# KiCad board control-logic-midplane.kicad_pcb (continued)
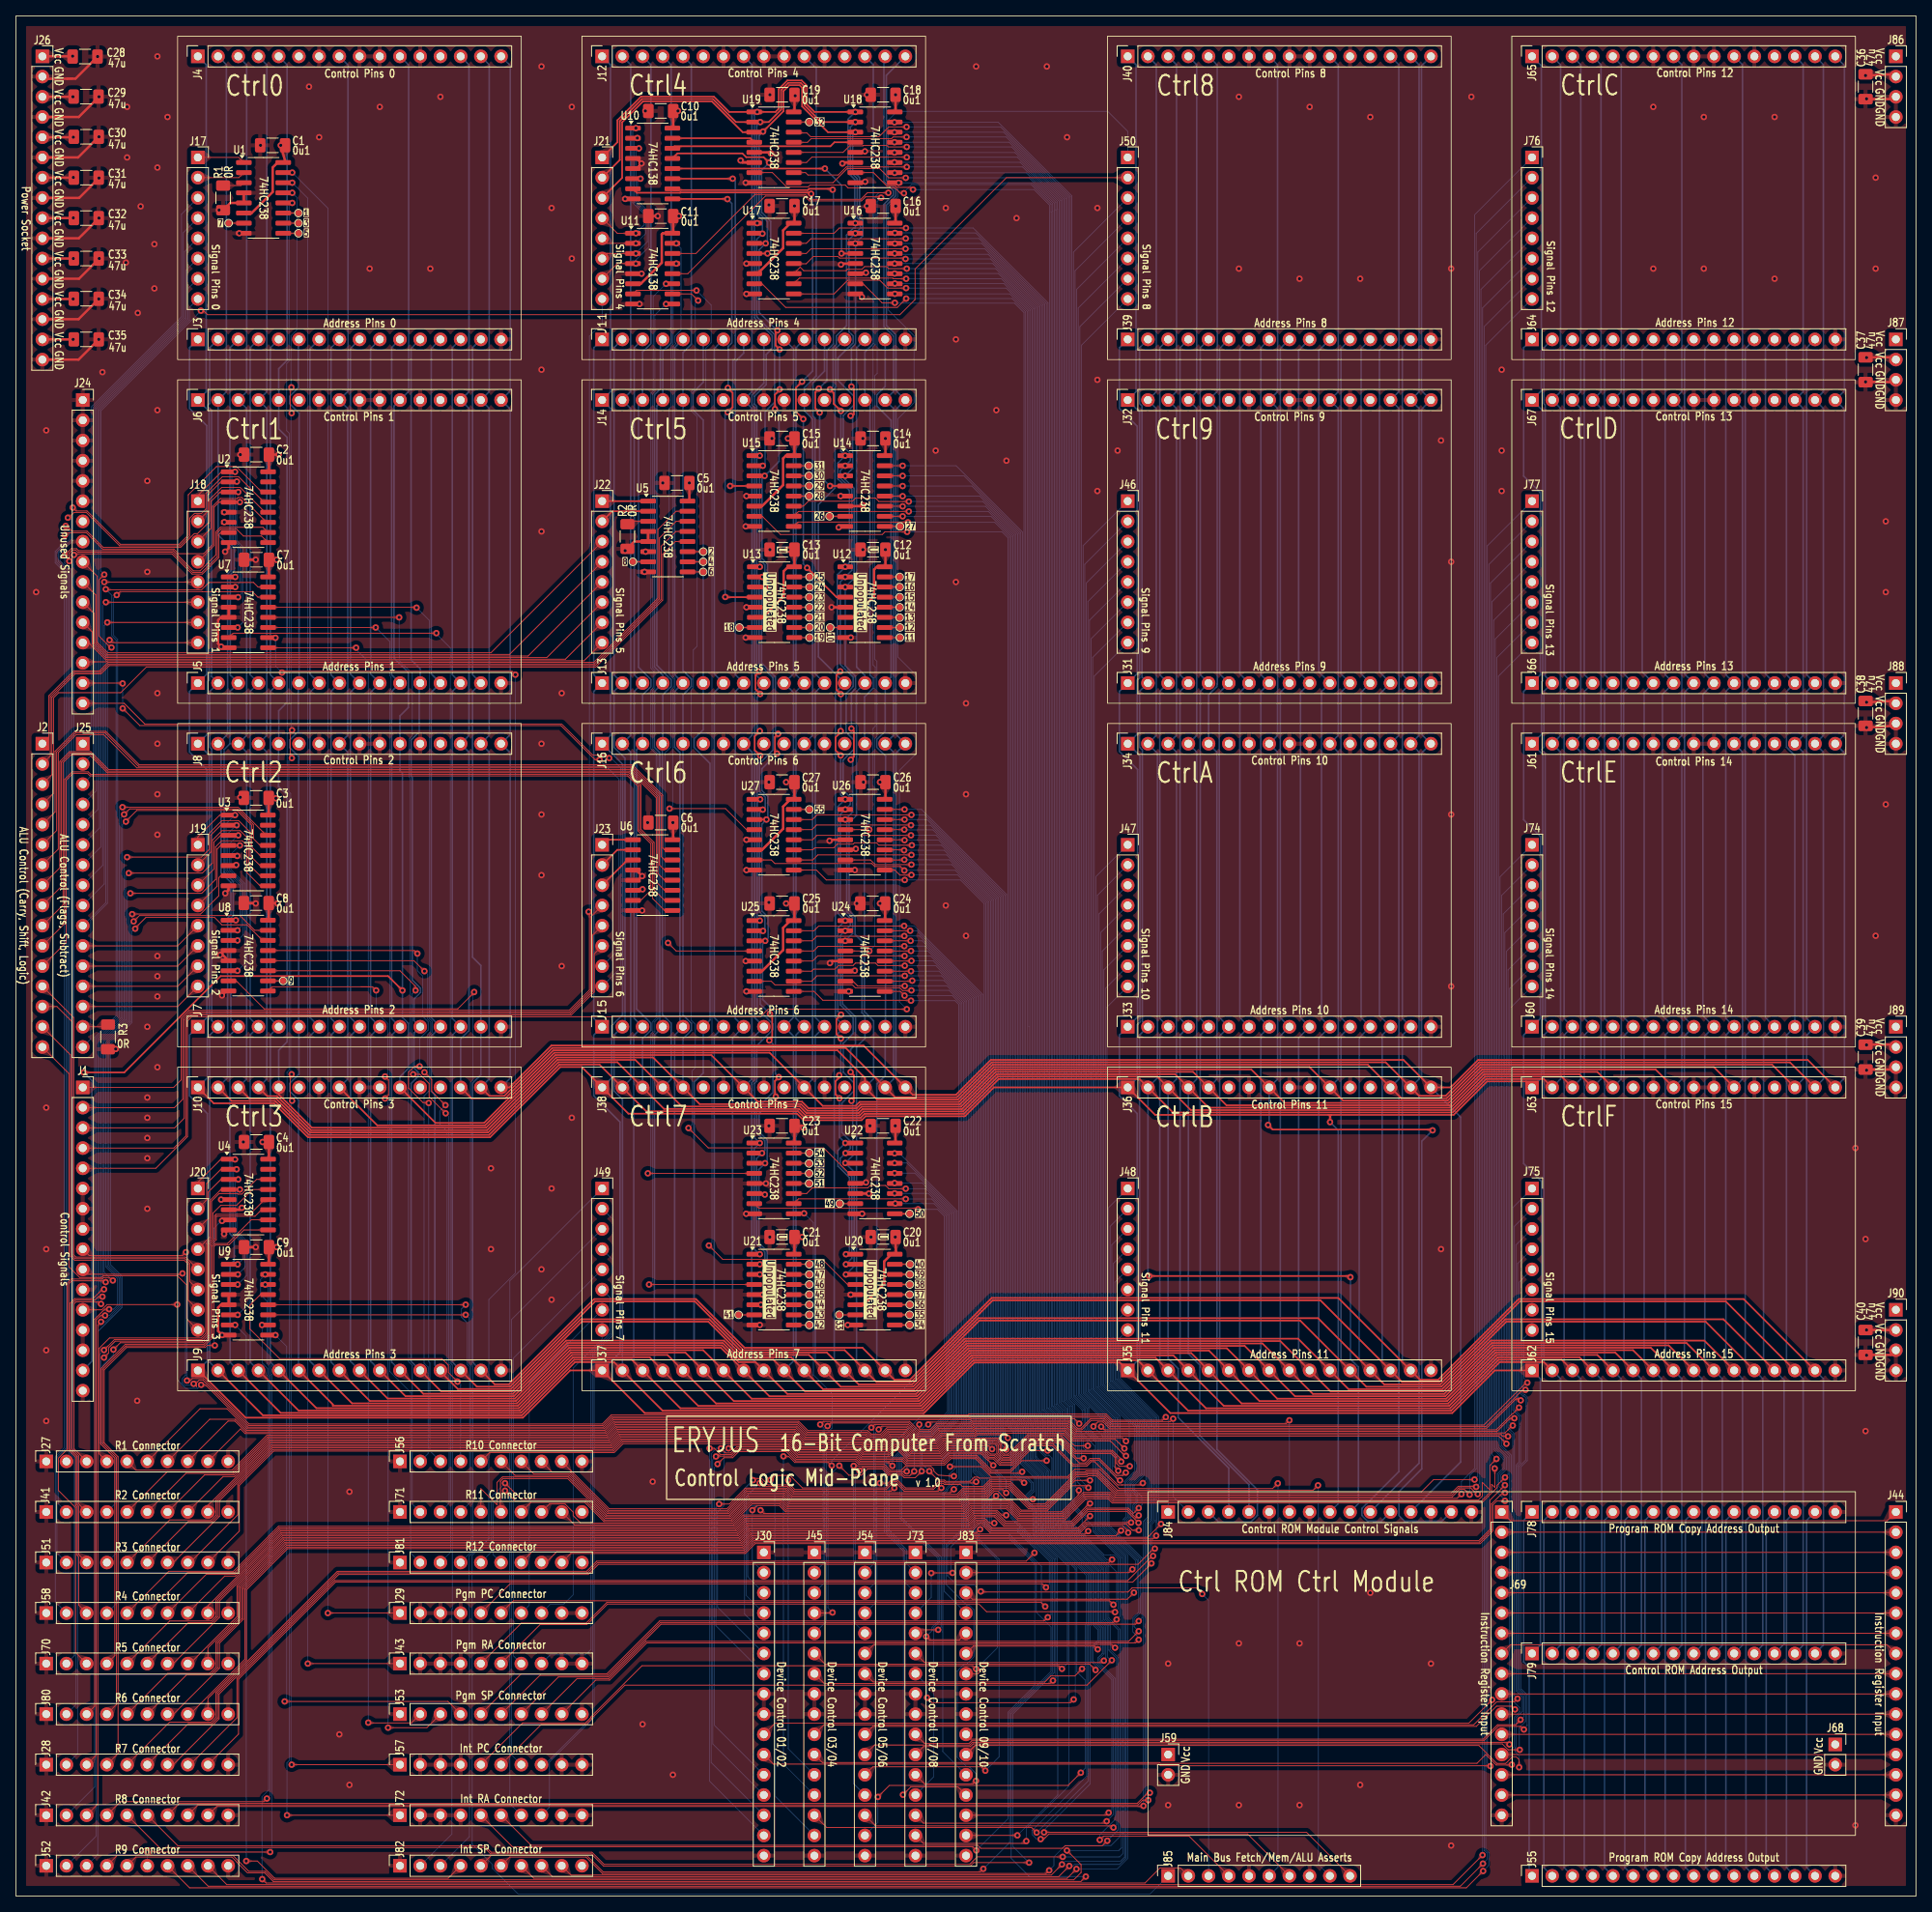
[diagram p0: board, top side]
## Routing (per net, layer and track width the routed paths; a pad name or vN(x,y) marks a point on that pad's centre or on a via; arc(x,y) is an arc through that point) (continued)
  Bottom w0.1: v1(111.81,215.87) 127.31,215.87 130.47,212.71 130.47,211.77 130.48,211.76 130.48,61.64 131.22,60.9 131.22,58.35 132.58,56.99 132.58,48.96 133.98,47.56 133.98,46.61 v1(134.73,45.86)
SignalMainBusAssertSwapR7: length 347.7
  Top w0.1: J28.6 21.66,21.66 24.63,21.66 25.33,22.36 25.33,25.47 40.47,40.61 71.79,40.61 73.07,41.88 137.33,41.88 v1(137.73,42.28) ; v1(111.58,213.94) 111.13,213.94 110.46,214.62 104.56,214.62 104.21,214.97 99.78,214.97 99.56,214.75 96.84,214.75 95.05,216.54 U19.7
  Bottom w0.1: v1(111.58,213.94) 111.58,214.08 112.53,215.03 127.58,215.03 130.07,212.55 130.07,211.61 130.08,211.59 130.08,61.47 130.82,60.73 130.82,58.18 132.18,56.82 132.18,47.13 137.03,42.28 v1(137.73,42.28)
SignalMainBusAssertSwapR8: length 362.8
  Top w0.1: v1(131.53,4.93) 120.79,4.93 119.84,3.98 73.91,3.98 72.38,5.51 59.72,5.51 58.92,6.31 20.36,6.31 J42.6
  Bottom w0.1: v1(131.53,4.93) 138.68,4.93 139.1,5.36 139.1,42.6 135.74,45.97 135.74,56.98 134.2,58.52 134.2,61.12 132.68,62.64 132.68,213.61 123.44,222.86 v1(110.4,222.86)
SignalMainBusAssertSwapR9: length 367.1
  Top w0.1: v1(132.06,5.73) 133.84,3.95 133.84,2.96 132.92,2.04 32.42,2.04 31.35,3.11 29.26,3.11 27.26,5.11 16.91,5.11 v1(16.51,5.5)
  Bottom w0.1: v1(132.06,5.73) 138.58,5.73 138.58,5.74 138.91,6.06 138.91,42.52 135.54,45.88 135.54,56.58 133.02,59.09 133.02,61.73 132.28,62.47 132.28,213.44 124.12,221.61 v1(110.4,221.61) ; J52.6 16.51,5.68 v1(16.51,5.5)
SignalMainBusAssertSwapR10: length 268.6
  Top w0.1: J56.6 62.71,52.86 69.49,52.86 74.29,48.06 89.58,48.06 91.99,50.46 96.51,50.46 97.29,49.68 118.57,49.68 119.35,50.46 121.95,50.46 122.75,51.26 124.65,51.26 127.24,48.68 129.55,48.68 133.11,52.23 v1(134.96,52.23)
  Bottom w0.1: v1(110.4,220.36) 124.81,220.36 131.88,213.28 131.88,62.31 132.62,61.57 132.62,58.93 134.1,57.44 134.1,56.34 134.44,56 135.04,56 135.34,55.7 135.34,52.61 v1(134.96,52.23)
SignalMainBusAssertSwapR11: length 270.9
  Top w0.1: v1(134.76,51.31) 134.5,51.56 132.72,51.56 129.63,48.48 126.33,48.48 124.95,49.86 124.4,49.86 123.4,50.86 122.92,50.86 122.12,50.06 119.51,50.06 118.73,49.28 97.12,49.28 96.34,50.06 92.15,50.06 89.75,47.66 74.13,47.66 69.32,52.46 61.22,52.46 60.88,52.12 60.88,48.34
  Bottom w0.1: v1(134.76,51.31) 133.58,52.49 133.58,57.4 132.22,58.76 132.22,61.4 131.48,62.14 131.48,213.11 125.54,219.06 v1(110.4,219.06)
SignalMainBusAssertSwapR12: length 273
  Top w0.1: v1(133.56,50.98) 133.56,50.44 131.4,48.28 126.25,48.28 124.86,49.66 119.68,49.66 118.9,48.88 96.95,48.88 96.17,49.66 92.32,49.66 89.92,47.26 73.96,47.26 71.56,49.66 62.73,49.66 v1(61.46,50.93)
  Bottom w0.1: v1(110.4,217.83) 126.2,217.83 131.08,212.95 131.08,61.92 131.82,61.18 131.82,58.59 133.18,57.24 133.18,51.36 v1(133.56,50.98) ; v1(61.46,50.93) 59.96,49.43 59.96,42.91 J81.6
SignalMemoryWrite: length 272.3
  Top w0.1: v1(111.95,111.43) 94.5,111.43 93.56,110.48 22.1,110.48 21.55,109.93 21.55,95.41 17.58,91.44 J1.5
  Bottom w0.1: J50.1 139.7,221.72 137.19,224.23 110.72,224.23 109.62,223.13 109.62,215.67 110.81,214.48 110.81,213.51 109.62,212.32 109.62,199.28 112.86,196.04 112.86,187.65 110.82,185.61 110.82,155.67 113.14,153.35 113.14,143.57 111.02,141.44 111.02,112.35 v1(111.95,111.43)
SignalPgmPCInc: length 39.7
  Bottom w0.1: J29.8 67.14,36.66 68.82,36.66 70.02,37.87 70.02,66.35 73.66,69.99 J49.8
SignalPgmPCLoad: length 42.3
  Bottom w0.1: J29.7 64.5,36.56 64.5,64.5 J49.7
SignalPgmRAInc: length 53.6
  Bottom w0.1: J43.8 67.14,30.31 71.59,30.31 72.26,30.98 72.26,68.31 74.66,70.71 74.66,75.2 J49.6
SignalPgmRALoad: length 54.6
  Bottom w0.1: J43.7 62.5,30.21 62.5,67.58 J49.5
SignalPgmSPDec: length 256.3
  Top w0.1: v1(141.08,32.21) 140.69,31.81 79.27,31.81 74.59,27.13 72.85,27.13 J53.9
  Bottom w0.1: v1(141.08,32.21) 141.08,32.46 140.3,33.24 140.3,34.91 141.08,35.69 141.08,42.32 136.94,46.46 136.94,59.51 133.48,62.97 133.48,199.52 J50.6
SignalPgmSPInc: length 255.5
  Top w0.1: v1(141.08,33.28) 139.81,32.01 79.18,32.01 74.51,27.33 70.51,27.33 J53.8
  Bottom w0.1: J50.7 133.68,197.18 133.68,63.05 137.14,59.6 137.14,46.55 141.28,42.4 141.28,35.61 140.5,34.83 140.5,33.86 v1(141.08,33.28)
SignalPgmSPLoad: length 254.3
  Top w0.1: v1(141.08,34.56) 140.69,34.16 81.06,34.16 74.43,27.53 68.17,27.53 J53.7
  Bottom w0.1: J50.8 133.9,194.86 133.9,63.12 137.34,59.68 137.34,46.63 141.46,42.51 141.48,42.51 141.48,34.96 v1(141.08,34.56)
SignalR1Dec: length 231.9
  Top w0.1: v1(139.48,55.31) 139.39,55.31 137.51,57.18 132.7,57.18 131.72,58.16 120.74,58.16 120.54,57.96 116.24,57.96 115.46,57.18 113.05,57.18 111.79,58.44 109.61,58.44 108.82,57.65 107.3,57.65 106.88,58.08 99.36,58.08 98.2,59.24 75.3,59.24 74.17,58.11 28.8,58.11 28.21,58.69 J27.9
  Bottom w0.1: v1(139.48,55.31) 139.31,55.31 138.54,56.08 138.54,60.18 135.1,63.62 135.1,157.96 J46.6
SignalR1Inc: length 230.9
  Top w0.1: J27.8 26.66,59.68 27.51,59.68 28.88,58.31 74.09,58.31 75.22,59.44 98.28,59.44 99.45,58.28 106.96,58.28 107.39,57.85 108.73,57.85 109.52,58.64 111.88,58.64 113.14,57.38 115.37,57.38 116.15,58.16 120.46,58.16 120.66,58.36 131.8,58.36 132.78,57.38 138.13,57.38 v1(139.28,56.23)
  Bottom w0.1: J46.7 135.3,155.62 135.3,63.71 138.74,60.27 138.74,56.78 v1(139.28,56.23)
SignalR1Load: length 230.2
  Top w0.1: v1(139.48,57.16) 139.06,57.58 132.87,57.58 131.89,58.56 120.58,58.56 120.38,58.36 116.07,58.36 115.29,57.58 113.22,57.58 111.96,58.84 109.44,58.84 108.65,58.05 107.47,58.05 107.04,58.48 99.53,58.48 98.36,59.64 75.14,59.64 74.01,58.51 28.96,58.51 27.57,59.91 24.34,59.91 J27.7
  Bottom w0.1: v1(139.48,57.16) 139.88,57.56 139.88,59.4 135.5,63.79 135.5,153.28 J46.8
SignalR2Dec: length 246
  Top w0.1: J41.9 24.13,49.08 31.96,56.91 74.67,56.91 75.8,58.04 97.7,58.04 98.87,56.88 106.38,56.88 106.81,56.45 109.31,56.45 110.1,57.24 111.3,57.24 112.56,55.98 115.95,55.98 116.73,56.76 123.06,56.76 123.26,56.56 123.26,55.62 123.95,54.93 124.92,54.93 127.36,57.36 131.24,57.36 133,55.6 137.61,55.6 138.1,55.11 138.1,53.84 v1(138.51,53.43)
  Bottom w0.1: J46.3 134.5,164.98 134.5,63.38 137.94,59.94 137.94,54 v1(138.51,53.43)
SignalR2Inc: length 247.3
  Top w0.1: v1(139.96,54.01) 139.95,54 138.64,54 138.3,54.34 138.3,55.19 137.69,55.8 133.09,55.8 131.33,57.56 127.28,57.56 124.84,55.13 124.03,55.13 123.45,55.7 123.45,56.64 123.14,56.96 116.65,56.96 115.87,56.18 112.64,56.18 111.38,57.44 110.02,57.44 109.23,56.65 106.89,56.65 106.46,57.08 98.95,57.08 97.78,58.24 75.72,58.24 74.59,57.11 31.88,57.11 27.48,52.71 26.04,52.71 J41.8
  Bottom w0.1: v1(139.96,54.01) 139.95,54 138.64,54 138.14,54.5 138.14,60.02 134.7,63.46 134.7,162.64 J46.4
SignalR2Load: length 243.9
  Top w0.1: v1(138.88,54.58) 138.88,54.89 137.78,56 133.17,56 131.41,57.76 127.19,57.76 124.76,55.33 124.11,55.33 123.66,55.78 123.66,56.73 123.22,57.16 116.57,57.16 115.79,56.38 112.72,56.38 111.46,57.64 109.94,57.64 109.15,56.85 106.97,56.85 106.55,57.28 99.03,57.28 97.87,58.44 75.63,58.44 74.5,57.31 31.79,57.31 27.39,52.91 23.7,52.91 J41.7
  Bottom w0.1: J46.5 134.9,160.3 134.9,63.54 138.34,60.1 138.34,55.13 v1(138.88,54.58)
SignalR3Inc: length 258.7
  Top w0.1: 21.88,41.91 27.87,47.91 27.87,51.69 32.29,56.11 75,56.11 76.13,57.24 97.37,57.24 98.53,56.08 106.05,56.08 106.48,55.65 109.64,55.65 110.43,56.44 110.96,56.44 112.22,55.18 116.29,55.18 117.07,55.96 121.47,55.96 122.3,55.13 122.89,55.13 123.7,54.33 125.17,54.33 127.61,56.76 130.35,56.76 132.89,54.23 134.48,54.23 135.04,54.78 136.06,54.78 138.61,52.23 v1(138.73,52.23)
  Bottom w0.1: v1(138.73,52.23) 138.54,52.23 137.54,53.23 137.54,59.76 134.1,63.2 134.1,169.66 J46.1
SignalR3Load: length 258.2
  Top w0.1: v1(139.46,53.21) 139.1,52.85 138.27,52.85 136.14,54.98 134.96,54.98 134.4,54.43 133.61,54.43 131.08,56.96 127.52,56.96 125.09,54.53 123.78,54.53 122.97,55.33 122.38,55.33 121.55,56.16 116.98,56.16 116.2,55.38 112.31,55.38 111.05,56.64 110.35,56.64 109.56,55.85 106.56,55.85 106.13,56.28 98.62,56.28 97.45,57.44 76.05,57.44 74.92,56.31 32.21,56.31 25.57,49.67 25.57,47.72 19.76,41.91
  Bottom w0.1: J46.2 134.3,167.32 134.3,63.29 137.74,59.85 137.74,53.32 138.21,52.85 139.1,52.85 v1(139.46,53.21)
SignalR9Dec: length 365.8
  Top w0.1: v1(184.28,5.16) 180.57,1.44 26.5,1.44 J52.9
  Bottom w0.1: v1(184.28,5.16) 184.28,199.53 J76.6
SignalR9Inc: length 367
  Top w0.1: J52.8 24.16,1.24 181.5,1.24 v1(184.33,4.08)
  Bottom w0.1: J76.7 184.48,197.19 184.48,5.74 184.53,5.74 184.86,5.4 184.86,4.61 v1(184.33,4.08)
SignalR9Load: length 367.7
  Top w0.1: v1(184.36,3.15) 182.25,1.04 21.82,1.04 J52.7
  Bottom w0.1: v1(184.36,3.15) 185.06,3.86 185.06,5.48 184.69,5.86 184.69,194.85 J76.8
SignalR10Dec: length 287.5
  Top w0.1: v1(183.28,52.33) 178.14,52.33 176.61,50.8 138.32,50.8 135.91,53.21 134.55,53.21 134.45,53.11 133.13,53.11 129.3,49.28 127.48,49.28 124.9,51.86 122.51,51.86 121.71,51.06 119.1,51.06 118.32,50.28 97.53,50.28 96.75,51.06 91.74,51.06 89.34,48.66 74.54,48.66 69.74,53.46 69.73,53.46 J56.9
  Bottom w0.1: v1(183.28,52.33) 183.69,52.73 183.69,206.55 J76.3
SignalR10Inc: length 288.4
  Top w0.1: v1(183.48,51.41) 183.41,51.49 181.23,51.49 180.32,50.58 138.26,50.58 135.83,53.01 134.64,53.01 134.53,52.91 133.22,52.91 129.39,49.08 127.4,49.08 124.82,51.66 122.59,51.66 121.79,50.86 119.18,50.86 118.4,50.08 97.45,50.08 96.67,50.86 91.82,50.86 89.42,48.46 74.46,48.46 69.66,53.26 67.39,53.26 J56.8
  Bottom w0.1: J76.4 183.88,204.21 183.88,51.81 v1(183.48,51.41)
SignalR10Load: length 289.8
  Top w0.1: v1(183.69,50.51) 183.57,50.51 182.79,51.29 181.31,51.29 180.41,50.38 138.17,50.38 135.74,52.81 134.72,52.81 134.61,52.71 133.3,52.71 129.47,48.88 127.32,48.88 124.73,51.46 122.67,51.46 121.87,50.66 119.26,50.66 118.48,49.88 97.37,49.88 96.59,50.66 91.91,50.66 89.5,48.26 74.38,48.26 69.57,53.06 65.05,53.06 J56.7
  Bottom w0.1: J76.5 184.08,201.87 184.08,50.91 v1(183.69,50.51)
SignalR11Inc: length 292.6
  Top w0.1: v1(181.63,50.51) 181.11,49.98 138.01,49.98 137.48,50.51 134.2,50.51 131.56,47.88 126.08,47.88 124.7,49.26 119.84,49.26 119.06,48.48 96.79,48.48 96.01,49.26 92.49,49.26 90.08,46.86 70.97,46.86 70.02,47.8 70.02,48.23 68.99,49.26 67.04,49.26 J71.8
  Bottom w0.1: v1(181.63,50.51) 181.63,52.09 183.28,53.74 183.28,211.23 J76.1
SignalR11Load: length 293.5
  Top w0.1: v1(182.66,50.43) 182,51.09 181.39,51.09 180.49,50.18 138.09,50.18 137.56,50.71 134.11,50.71 131.48,48.08 126.17,48.08 124.78,49.46 119.76,49.46 118.98,48.68 96.87,48.68 96.09,49.46 92.4,49.46 90,47.06 73.88,47.06 71.48,49.46 64.7,49.46 J71.7
  Bottom w0.1: J76.2 183.48,208.89 183.48,53.66 182.66,52.83 v1(182.66,50.43)
SignalUpdateCLC: length 74.6
  Bottom w0.1: J25.6 10.5,134.18 10.5,186.7 21.8,198.01 21.8,199.6 J17.8
SignalUpdateCLV: length 15.5
  Top w0.1: J25.12 20.32,116.84 J19.6
SignalUpdateIntCLatch: length 74.6
  Bottom w0.1: J25.1 9.5,145.88 9.5,187.12 20.8,198.42 20.8,211.3 J17.3
SignalUpdateIntLLatch: length 15.5
  Top w0.1: J25.13 20.32,114.3 J19.7
SignalUpdateIntNLatch: length 48.2
  Top w0.1: v1(11.48,160.02) J18.7
  Bottom w0.1: v1(11.48,160.02) 11.1,159.64 11.1,127.16 J25.9
SignalUpdateIntVLatch: length 48.4
  Top w0.1: v1(11.1,165.1) J18.5
  Bottom w0.1: J25.7 10.7,131.84 10.7,164.7 v1(11.1,165.1)
SignalUpdateIntZLatch: length 74.6
  Bottom w0.1: J25.3 9.9,141.2 9.9,186.95 21.2,198.26 21.2,206.62 J17.5
SignalUpdatePgmCLatch: length 74.6
  Bottom w0.1: J17.4 21,208.96 21,198.34 9.7,187.04 9.7,143.54 J25.2
SignalUpdatePgmLLatch: length 15.5
  Top w0.1: J19.8 20.32,111.76 J25.14
SignalUpdatePgmNLatch: length 48.5
  Top w0.1: v1(11.76,157.81) 12.09,157.48 J18.8
  Bottom w0.1: J25.10 11.3,124.82 11.3,157.35 v1(11.76,157.81)
SignalUpdatePgmVLatch: length 48.3
  Top w0.1: v1(11.3,162.56) J18.6
  Bottom w0.1: v1(11.3,162.56) 10.9,162.16 10.9,129.5 J25.8
SignalUpdatePgmZLatch: length 74.6
  Bottom w0.1: J25.4 10.1,138.86 10.1,186.87 21.4,198.17 21.4,204.28 J17.6
SignalUpdateSTC: length 74.6
  Bottom w0.1: J17.7 21.6,201.94 21.6,198.09 10.3,186.79 10.3,136.52 J25.5
SignalUpdateSTV: length 15.5
  Top w0.1: J25.11 20.32,119.38 J19.5
SingalCtl01Load: length 230.9
  Top w0.1: v1(93.56,48.48) 93.96,48.08 119.23,48.08 120.01,48.86 124.53,48.86 125.92,47.48 131.73,47.48 134.36,50.11 137.31,50.11 137.84,49.58 184.08,49.58 185.43,50.93 185.43,51.74 185.83,51.33 185.83,53.71 v1(185.81,53.73)
  Bottom w0.1: v1(185.81,53.73) 185.28,54.26 185.28,164.97 J77.3 ; v1(93.56,48.48) 92.98,49.06 92.27,49.06 91.95,48.75 91.95,40.13 J30.3
SingalCtl02Load: length 253.3
  Top w0.1: J30.11 95.18,16.58 143.6,16.58 143.81,16.37 185.24,16.37 v1(185.28,16.33)
  Bottom w0.1: J77.1 184.88,169.65 184.88,16.73 v1(185.28,16.33)
SingalCtl03Load: length 168.6
  Top w0.1: v1(188.08,59.12) 188.03,59.12 187.09,58.18 133.12,58.18 132.14,59.16 120.33,59.16 120.13,58.96 115.8,58.96 115.04,58.2 113.45,58.2 112.21,59.44 102.37,59.44 v1(101.98,59.06)
  Bottom w0.1: v1(188.08,59.12) 187.69,59.52 187.69,114.03 J74.7 ; v1(101.98,59.06) 101.63,58.7 101.63,39.4 J45.3
SingalCtl04Load: length 196.9
  Top w0.1: J45.11 101.33,16.78 143.68,16.78 143.78,16.68 183.58,16.68 184.69,17.78 186,16.46 187.91,16.46 v1(187.96,16.51)
  Bottom w0.1: v1(187.96,16.51) 187.96,18.48 188.28,18.8 188.28,22.48 188.95,23.14 188.95,23.69 188.09,24.55 188.09,57.97 187.28,58.78 187.28,118.71 J74.5
SingalCtl05Load: length 173.9
  Top w0.1: v1(108.41,58.63) 108.82,59.04 112.04,59.04 113.3,57.78 115.21,57.78 115.99,58.56 120.29,58.56 120.49,58.76 131.97,58.76 132.95,57.78 186.33,57.78 v1(187.28,56.83)
  Bottom w0.1: v1(187.28,56.83) 186.88,57.23 186.88,123.39 J74.3 ; v1(108.41,58.63) 107.98,58.2 107.98,39.4 J54.3
SingalCtl06Load: length 196.9
  Top w0.1: J54.11 107.88,18.98 119.85,18.98 120.19,19.32 187.39,19.32 v1(187.66,19.06)
  Bottom w0.1: J74.1 186.48,128.07 186.48,56.53 187.69,55.32 187.69,19.91 187.66,19.88 v1(187.66,19.06)
SingalCtl07Load: length 115.3
  Top w0.1: v1(113.51,59.26) 113.51,58.7 113.61,58.6 114.88,58.6 115.64,59.36 119.96,59.36 120.16,59.56 132.3,59.56 133.28,58.58 133.93,58.58 135.11,59.76 136.68,59.76 137.46,58.98 184.7,58.98 189.4,63.68 189.61,63.68
  Bottom w0.1: 189.61,63.68 189.28,64.01 189.28,72.45 J75.7 ; J73.3 111.71,39.42 111.71,43.44 109.34,45.81 109.34,55.09 v1(113.51,59.26)
  vias: v1(189.68,63.6)
SingalCtl08Load: length 139.3
  Top w0.1: J73.11 114.03,18.78 119.93,18.78 120.27,19.12 186.76,19.12 187.5,18.38 v1(188.96,18.38)
  Bottom w0.1: v1(188.96,18.38) 188.91,18.44 188.91,21.17 189.69,21.95 189.69,25.19 188.89,25.99 188.89,53.97 189.71,54.79 189.71,62.61 189.5,62.82 189.36,62.82 188.88,63.3 188.88,77.13 J75.5
SingalCtl09Load: length 122
  Top w0.1: v1(136.36,58.98) 136.76,58.58 186.01,58.58 188.04,60.61 188.1,60.61 v1(188.87,61.38) ; J83.3 120.18,37.3 139.66,37.3 v1(140.48,38.13)
  Bottom w0.1: v1(140.48,38.13) 140.88,38.44 140.88,42.24 136.74,46.38 136.74,58.6 v1(136.36,58.98) ; J75.3 188.48,81.81 188.48,61.76 v1(188.87,61.38)
SingalCtl10Load: length 149
  Top w0.1: 120.48,18.88 J83.11 120.52,18.92 183.83,18.92 186.08,16.66 187.2,16.66 188.02,17.49 188.53,17.49 188.88,17.13 v1(188.88,16.18)
  Bottom w0.1: J75.1 188.08,86.49 188.08,61.05 188.86,60.27 188.86,54.51 188.49,54.14 188.49,25.82 189.28,25.03 189.28,23.2 188.48,22.4 188.48,18.72 188.38,18.62 188.38,18.14 188.88,17.63 v1(188.88,16.18)
SingalDev01Load: length 225.5
  Top w0.1: v1(92.54,48.48) 93.12,49.06 95.93,49.06 96.71,48.28 119.15,48.28 119.93,49.06 124.62,49.06 126,47.68 131.64,47.68 134.28,50.31 137.4,50.31 137.93,49.78 183.78,49.78 184.26,50.26 184.26,51.97 185.23,51.01 185.23,54.13 v1(186.03,54.93)
  Bottom w0.1: J77.4 185.48,162.62 185.48,55.48 v1(186.03,54.93) ; J30.2 92.54,42.09 v1(92.54,48.48)
SingalDev02Load: length 243.8
  Top w0.1: v1(185.48,24.66) 182.55,21.72 95.38,21.72 J30.10
  Bottom w0.1: v1(185.48,24.66) 185.08,25.06 185.08,167.31 J77.2
SingalDev03Load: length 163.8
  Top w0.1: v1(188.28,60.03) 187.75,60.03 186.1,58.38 133.2,58.38 132.22,59.36 120.25,59.36 120.05,59.16 115.72,59.16 114.96,58.4 113.53,58.4 112.29,59.64 101.45,59.64 v1(101.06,59.26)
  Bottom w0.1: J74.8 187.88,111.69 187.88,60.51 188.11,60.28 ; v1(101.06,59.26) 101.43,58.89 101.43,41.74 J45.2
SingalDev04Load: length 186.5
  Top w0.1: v1(188.69,24.81) 188.28,24.4 186.05,24.4 183.17,21.52 101.53,21.52 J45.10
  Bottom w0.1: v1(188.69,24.81) 188.29,25.2 188.29,58.09 187.48,58.9 187.48,116.37 J74.6
SingalDev05Load: length 168.7
  Top w0.1: v1(187.48,57.76) 186.83,57.76 186.61,57.98 133.03,57.98 132.05,58.96 120.41,58.96 120.21,58.76 115.91,58.76 115.13,57.98 113.38,57.98 112.12,59.24 107.87,59.24 v1(107.48,58.86)
  Bottom w0.1: J74.4 187.08,121.05 187.08,58.16 v1(187.48,57.76) ; J54.2 107.78,41.74 107.78,58.56 v1(107.48,58.86)
SingalDev06Load: length 191.7
  Top w0.1: J54.10 107.68,21.32 183.5,21.32 186.04,23.86 187.95,23.86 v1(188.36,23.46)
  Bottom w0.1: J74.2 186.69,125.73 186.69,56.61 187.89,55.4 187.89,23.93 v1(188.36,23.46)
SingalDev07Load: length 108.4
  Top w0.1: v1(189.91,64.51) 189.77,64.51 184.44,59.18 137.55,59.18 136.77,59.96 135.02,59.96 133.84,58.78 133.36,58.78 132.38,59.76 120.08,59.76 119.88,59.56 114.94,59.56 v1(114.64,59.26)
  Bottom w0.1: v1(114.64,59.26) 114.41,59.26 109.54,54.38 109.54,45.89 111.91,43.52 111.91,41.76 J73.2 ; v1(189.91,64.51) 189.91,64.63 189.48,65.06 189.48,70.11 J75.8
SingalDev08Load: length 135.1
  Top w0.1: J73.10 114.17,19.18 119.77,19.18 120.11,19.52 184.45,19.52 186.25,21.32 189.09,21.32 v1(189.48,20.93)
  Bottom w0.1: 189.38,20.93 189.88,21.43 189.88,25.27 189.09,26.07 189.09,53.89 189.91,54.71 189.91,62.69 189.58,63.02 189.44,63.02 189.08,63.38 189.08,74.79 J75.6
SingalDev09Load: length 118.7
  Top w0.1: v1(189.08,62.28) 188.91,62.46 188.46,62.46 ; 188.46,62.46 184.78,58.78 137.38,58.78 136.6,59.56 135.94,59.56 v1(135.38,59.01) ; 188.46,62.46 188.83,62.46 188.96,62.33 ; v1(140.28,41.06) 139.87,40.64 J83.2
  Bottom w0.1: J75.4 188.69,79.47 188.69,63.08 ; v1(189.08,62.28) 188.69,62.68 188.69,63.08 ; 188.96,62.33 188.69,62.61 188.69,63.08 ; v1(140.28,41.06) 140.69,41.25 140.69,42.15 136.54,46.3 136.54,57.85 v1(135.38,59.01)
SingalDev10Load: length 137.1
  Top w0.1: J83.10 119.98,19.72 184.37,19.72 186.17,21.52 188.45,21.52 189.03,22.11
  Bottom w0.1: J75.2 188.28,84.15 188.28,61.14 189.06,60.36 189.06,54.43 188.69,54.05 188.69,25.9 189.48,25.11 189.48,22.56 189.03,22.11
  vias: v1(189.06,22.16)
SingalR3Dec: length 198.9
  Top w0.1: v1(141.6,51.89) 141.36,51.66 138.98,51.66 138.98,51.65 138.47,51.65 135.53,54.58 135.12,54.58 134.57,54.03 132.8,54.03 130.27,56.56 127.69,56.56 125.26,54.13 123.61,54.13 122.81,54.93 122.21,54.93 121.39,55.76 117.15,55.76 116.37,54.98 112.14,54.98 110.88,56.24 110.52,56.24 109.73,55.45 106.39,55.45 105.97,55.88 98.45,55.88 97.29,57.04 76.21,57.04 75.08,55.91 32.37,55.91 28.07,51.61 28.07,45.85 J51.9
  Bottom w0.1: v1(141.6,51.89) 141.98,52.28 141.98,59.57 137.1,64.45 137.1,111.7 J47.8
SingalR4Dec: length 204
  Top w0.1: v1(141.06,46.9) 139.62,48.34 134.72,48.34 132.86,46.48 124.14,46.48 122.95,47.66 120.51,47.66 119.73,46.88 91.8,46.88 90.58,45.66 33.32,45.66 24.13,36.47 J58.9
  Bottom w0.1: v1(141.06,46.9) 140.3,47.65 140.3,49.08 140.76,49.53 140.76,50.32 140.1,50.97 140.1,51.79 141.38,53.07 141.38,59.32 136.5,64.2 136.5,118.72 J47.5
SingalR4Inc: length 202.5
  Top w0.1: J58.8 26.24,40.21 27.59,40.21 33.23,45.86 90.5,45.86 91.72,47.08 119.64,47.08 120.42,47.86 123.03,47.86 124.22,46.68 132.78,46.68 134.64,48.54 139.7,48.54 140.75,47.49 v1(141.08,47.82)
  Bottom w0.1: v1(141.08,47.82) 140.5,48.4 140.5,49 140.96,49.45 140.96,50.4 140.3,51.06 140.3,51.7 141.58,52.98 141.58,59.4 136.7,64.29 136.7,116.38 J47.6
SingalR4Load: length 201.4
  Top w0.1: J58.7 23.9,40.41 27.51,40.41 33.15,46.06 90.41,46.06 91.64,47.28 119.56,47.28 120.34,48.06 123.12,48.06 124.3,46.88 132.69,46.88 134.55,48.74 139.79,48.74 140.43,48.1 v1(141.08,48.76)
  Bottom w0.1: J47.7 136.9,114.04 136.9,64.37 141.78,59.48 141.78,52.9 140.5,51.62 140.5,51.14 141.48,50.16 141.48,49.16 v1(141.08,48.76)
SingalR5Dec: length 215.9
  Top w0.1: J70.9 24.13,31.18 27.97,35.02 27.97,38.89 33.73,44.66 90.99,44.66 92.22,45.88 120.14,45.88 120.92,46.66 121.4,46.66 122.39,45.68 133.73,45.68 134.59,46.53 139.08,46.53 139.76,45.86 v1(139.76,45.66)
  Bottom w0.1: J47.2 135.9,125.74 135.9,63.96 140.78,59.07 140.78,53.31 139.5,52.03 139.5,50.73 139.7,50.53 139.7,47.61 139.35,47.25 139.35,46.58 139.76,46.17 v1(139.76,45.66)
SingalR5Inc: length 216.3
  Top w0.1: 21.88,29.21 27.77,35.1 27.77,38.98 33.65,44.86 90.91,44.86 92.13,46.08 120.06,46.08 120.84,46.86 121.48,46.86 122.47,45.88 133.65,45.88 134.51,46.73 139.51,46.73 140.27,45.97 v1(141.09,45.97)
  Bottom w0.1: v1(141.09,45.97) 140.27,45.97 139.55,46.69 139.55,47.17 139.91,47.53 139.91,50.61 139.7,50.81 139.7,51.95 140.98,53.23 140.98,59.15 136.1,64.04 136.1,123.4 J47.3
SingalR5Load: length 211.3
  Top w0.1: v1(140.13,46.93) 134.42,46.93 133.57,46.08 122.55,46.08 121.57,47.06 120.75,47.06 119.97,46.28 92.05,46.28 90.83,45.06 33.56,45.06 25.57,37.06 25.57,35.02 19.76,29.21
  Bottom w0.1: J47.4 136.3,121.06 136.3,64.12 141.19,59.24 141.19,53.15 139.91,51.87 139.91,50.89 140.1,50.69 140.1,46.96 v1(140.13,46.93)
SingalR6Dec: length 165.7
  Top w0.1: v1(143.28,45.28) 142.88,44.88 120.73,44.88 120.73,44.88 92.63,44.88 91.41,43.66 34.14,43.66 28.97,38.48 28.97,29.67 24.13,24.83 J80.9
  Bottom w0.1: J48.7 138.5,72.46 138.5,65.03 143.38,60.15 143.38,47.08 143.28,46.98 v1(143.28,45.28)
SingalR6Inc: length 164
  Top w0.1: 21.88,22.86 28.77,29.75 28.77,38.56 34.06,43.86 91.32,43.86 92.55,45.08 120.81,45.08 120.82,45.08 142.2,45.08 v1(143.88,46.76)
  Bottom w0.1: J48.8 138.7,70.12 138.7,65.12 143.58,60.23 143.58,47.06 v1(143.88,46.76)
SingalR6Load: length 223.4
  Top w0.1: v1(138.86,45.93) 138.2,45.28 120.9,45.28 120.89,45.28 92.47,45.28 91.24,44.06 33.98,44.06 28.57,38.65 28.57,34.77 25.57,31.77 25.57,28.63 19.8,22.86
  Bottom w0.1: J47.1 135.7,128.08 135.7,63.87 140.58,58.99 140.58,53.4 139.3,52.12 139.3,50.64 139.5,50.44 139.5,47.69 139.15,47.34 139.15,46.22 v1(138.86,45.93)
SingalR7Dec: length 175.7
  Top w0.1: J28.9 27.97,20.35 27.97,27.26 40.15,39.44 140.32,39.44 v1(142.69,41.81)
  Bottom w0.1: v1(142.69,41.81) 142.28,42.21 142.28,46.82 142.78,47.32 142.78,59.9 137.9,64.78 137.9,79.48 J48.4
SingalR7Inc: length 173.8
  Top w0.1: 21.88,16.51 27.77,22.4 27.77,27.34 40.07,39.64 139.7,39.64 142.79,42.73 v1(142.88,42.73)
  Bottom w0.1: v1(142.88,42.73) 142.48,43.13 142.48,46.74 142.98,47.24 142.98,59.98 138.1,64.87 138.1,77.14 J48.5
SingalR7Load: length 171.9
  Top w0.1: 19.76,16.51 25.53,22.28 25.53,25.38 40.55,40.41 71.91,40.41 73.18,41.68 140.98,41.68 142.96,43.66 v1(143.11,43.66)
  Bottom w0.1: v1(143.11,43.66) 142.69,44.08 142.69,46.66 143.19,47.16 143.19,60.06 138.3,64.95 138.3,74.8 J48.6
SingalR8Dec: length 198.8
  Top w0.1: v1(141.69,11.33) 141.61,11.26 25.23,11.26 J42.9
  Bottom w0.1: v1(141.69,11.33) 141.69,47.07 142.19,47.57 142.19,59.65 137.3,64.54 137.3,86.5 J48.1
SingalR8Inc: length 199.1
  Top w0.1: J42.8 22.89,11.46 140.99,11.46 141.58,12.06 v1(142.28,12.06)
  Bottom w0.1: J48.2 137.5,84.16 137.5,64.62 142.38,59.73 142.38,47.49 141.88,46.99 141.88,12.46 v1(142.28,12.06)
SingalR8Load: length 198.7
  Top w0.1: v1(142.48,12.98) 142.23,12.98 140.91,11.66 20.55,11.66 J42.7
  Bottom w0.1: v1(142.48,12.98) 142.08,13.38 142.08,46.91 142.58,47.41 142.58,59.82 137.7,64.7 137.7,81.82 J48.3
SingalR11Dec: length 230.7
  Top w0.1: v1(187.11,52.61) 186.11,51.61 186.11,51.32 184.17,49.38 137.76,49.38 137.23,49.91 134.44,49.91 131.81,47.28 125.84,47.28 124.45,48.66 120.09,48.66 119.31,47.88 91.39,47.88 90.16,46.66 70.19,46.66 J71.9
  Bottom w0.1: v1(187.11,52.61) 187.49,52.99 187.49,55.15 186.28,56.36 186.28,153.27 J77.8
SingalR12Dec: length 242.5
  Top w0.1: 187.23,49.63 186.06,49.63 185.61,49.18 185.61,45.9 183.99,44.28 120.48,44.28 120.48,44.28 92.88,44.28 91.66,43.06 69.73,43.06 J81.9
  Bottom w0.1: J77.5 185.69,160.29 185.69,56.11 186.89,54.9 186.89,53.77 186.13,53.01 186.13,50.74 187.23,49.63
  vias: v1(187.11,49.66)
SingalR12Inc: length 241
  Top w0.1: 66.61,41.91 67.95,43.26 91.57,43.26 92.8,44.48 120.56,44.48 120.57,44.48 183.91,44.48 185.41,45.98 185.41,49.26 186.83,50.68 v1(187.11,50.68)
  Bottom w0.1: 187.13,50.68 186.33,51.49 186.33,52.93 187.09,53.69 187.09,54.98 185.88,56.19 185.88,157.95 J77.6
SingalR12Load: length 241.1
  Top w0.1: v1(187.1,51.63) 185.21,49.74 185.21,46.06 183.82,44.68 120.65,44.68 120.65,44.68 92.71,44.68 91.49,43.46 65.05,43.46 J81.7
  Bottom w0.1: J77.7 186.08,155.61 186.08,56.27 187.29,55.07 187.29,53.61 186.53,52.85 186.53,52.2 v1(187.1,51.63)
SRAM ~{CE}: length 767.7
  Top w0.2: J63.16 225.15,105.05 183.73,105.05 180.28,101.6 J36.16 174.34,105.06 122.5,105.06 118.12,100.67 112.69,100.67 J38.16 106.5,106.86 67.28,106.86 62.02,101.6 J10.16
  Bottom w0.2: J4.16 62.11,229.99 62.11,189.11 J6.16 62.11,186.81 62.11,145.93 J8.16 62.11,143.63 62.11,102.75 J10.16 ; J12.16 109.37,228.75 109.37,215.57 110.56,214.38 110.56,213.61 109.37,212.42 109.37,197.34 110.57,196.14 110.57,189.15 J14.16 110.57,186.77 110.57,145.97 J16.16 110.57,143.59 110.57,102.79 J38.16 ; J63.16 229.75,102.75 229.75,143.63 J61.16 229.75,145.93 229.75,186.81 J67.16 229.75,189.11 229.75,229.99 J65.16 ; J84.13 181.53,54.54 181.53,97.87 J36.16 176.61,102.79 176.61,143.59 J34.16 176.61,145.97 176.61,186.77 J32.16 176.61,189.15 176.61,229.95 J40.16
